# Altium PCB PCB_wordclocksmall_2022-11-05.pcbdoc (part 4 of 5) (continued)
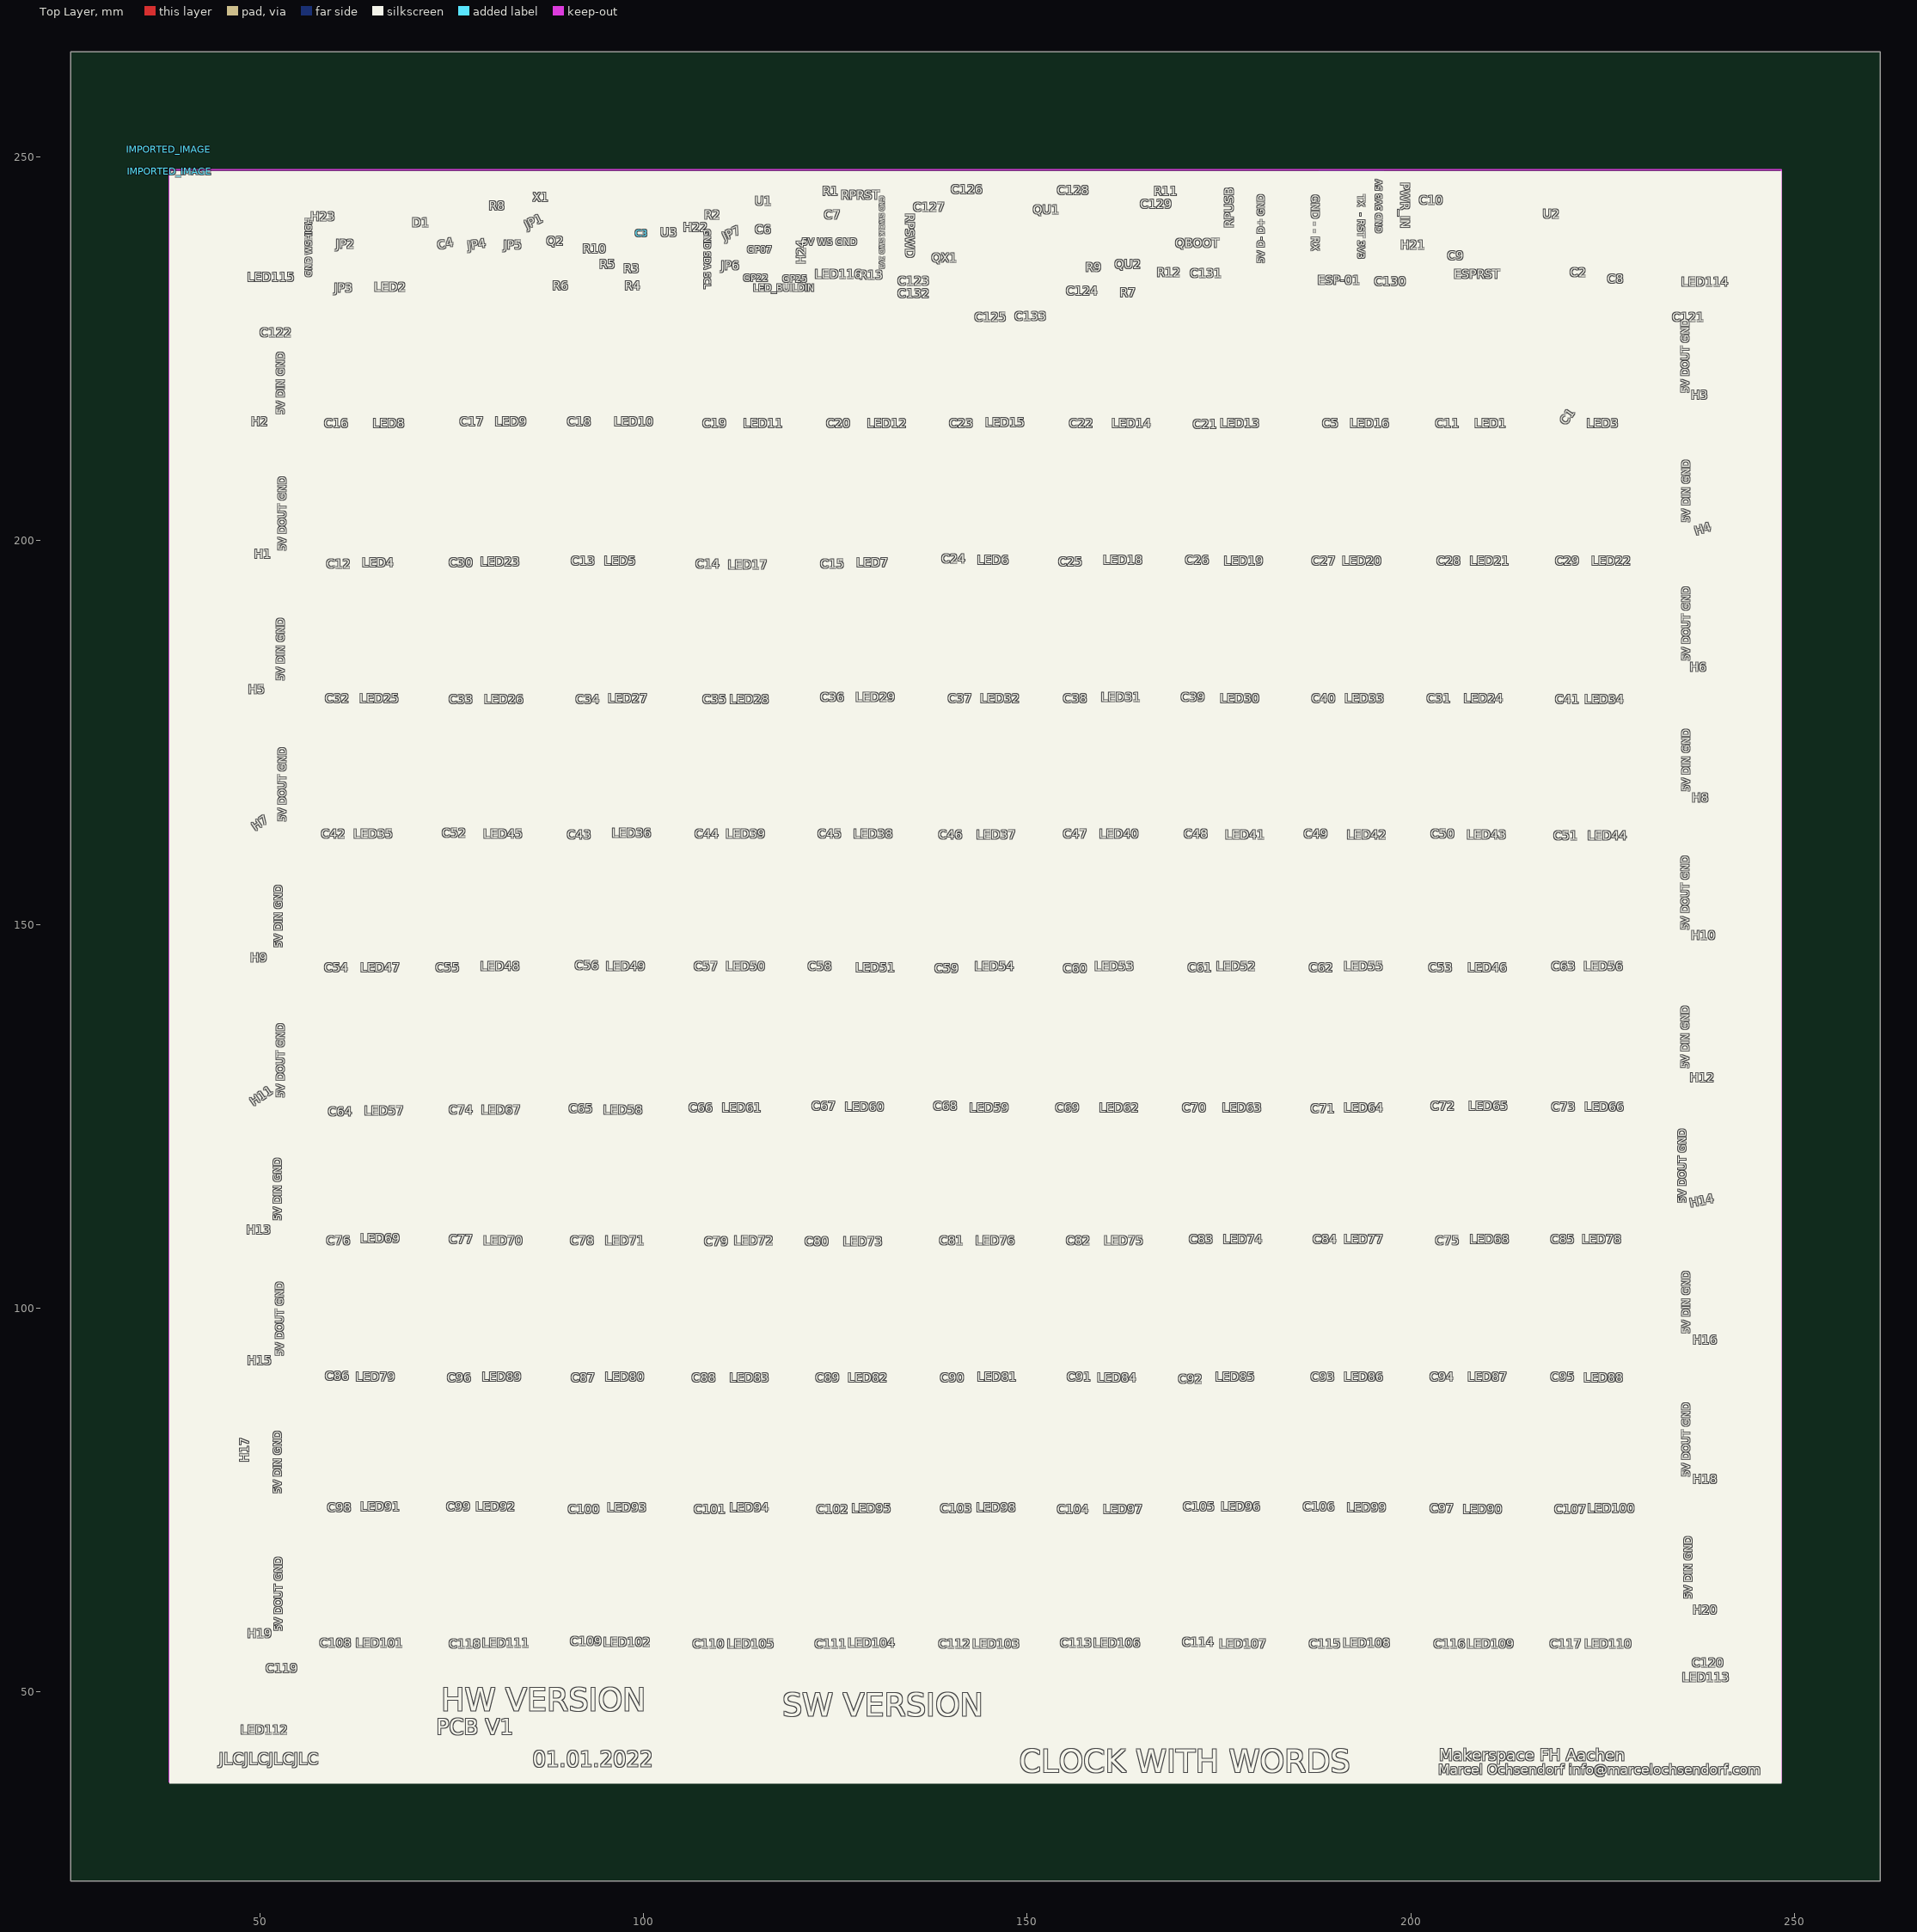
[diagram p0: Top Layer view]
## Nets (pads, with @x,y where several pads share a name; then routed paths per layer and width w, separated by ;. In a path a pad name is that pad's centre, name@x,y a point inside that pad or via, vN(x,y) a via of type N, cw(c..) or ccw(c..) an arc to the next point about the centre after c; other vN are vias at no path point) (continued)
  other v1: 137.795,232.679 147.828,240.045 115.443,242.712 144.78,246.141 152.781,246.395
GPIO0: 1.GP0 M1.7 QU1.2 | length 84.5
  Top Layer w0.229: QU1.2@150.028,243.595 150.028,245.338 149.733,245.633 149.733,247.411 149.987,247.665 v1(154.686,247.665) ; v1(157.226,247.03) 186.817,247.03 188.087,245.76 188.087,237.505 188.976,236.616 M1.7@189.865,236.616
  Top Layer w0.254: 1.GP0@164.592,229.123 164.592,231.917 165.227,232.552 187.325,232.552 v1(187.96,233.187)
  Bottom Layer w0.229: v1(154.686,247.665) 155.321,247.03 v1(157.226,247.03)
  Bottom Layer w0.254: v1(187.96,233.187) 187.96,234.711 M1.7@189.865,236.616
GPIO1: 1.GP1 M1.2 QU1.3 | length 89.2
  Top Layer w0.229: v1(148.844,245.887) 149.628,245.103 QU1.3@149.628,243.595 ; v1(152.146,243.728) 156.083,247.665 190.881,247.665 192.405,246.141 M1.2@192.405,244.236
  Top Layer w0.254: 1.GP1@167.132,229.123 167.132,231.282 167.894,232.044 188.722,232.044 v1(189.738,233.06) ; v1(190.881,235.346) 191.135,235.346 191.135,242.204 192.405,243.474 M1.2@192.405,244.236
  Bottom Layer w0.229: v1(148.844,245.887) 149.987,244.744 151.13,244.744 v1(152.146,243.728)
  Bottom Layer w0.254: v1(189.738,233.06) 189.738,234.203 v1(190.881,235.346)
GPIO2: 1.GP2 H22.2 QU1.4 R3.2 U1.4 U3.5 | length 160.4
  Top Layer w0.229: v1(106.68,229.885) 106.782,229.783 160.503,229.783 163.195,227.091 171.196,227.091 v1(171.704,226.583) ; H22.2@106.68,236.87 106.68,236.997 110.49,240.807 124.714,240.807 125.73,241.823 125.857,241.823 125.857,245.633 127.762,247.538 143.256,247.538 143.637,247.919 147.701,247.919 148.209,247.411 148.209,245.506 149.228,244.488 QU1.4@149.228,243.595
  Top Layer w0.254: R3.2@102.312,236.362 102.82,236.87 H22.2@106.68,236.87 105.537,236.87 104.155,238.252 U3.5@104.155,242.458 108.077,242.458 109.601,243.982 v1(109.601,244.49) ; v1(110.109,246.903) 110.617,247.411 114.261,247.411 U1.4@114.65,247.022
  Bottom Layer w0.229: v1(171.704,226.583) 172.212,227.091 1.GP2@172.212,229.123
  Bottom Layer w0.254: v1(106.68,229.885) 104.648,231.917 104.648,236.489 105.029,236.87 H22.2@106.68,236.87 ; v1(109.601,244.49) 109.601,246.395 v1(110.109,246.903) ; v1(171.704,226.583) 172.212,227.091 1.GP2@172.212,229.123
GPIO3: 1.GP3 H22.3 QU1.5 R4.2 U1.6 U3.6 | length 156
  Top Layer w0.254: H22.3@106.68,234.33 107.823,234.33 109.22,235.727 109.22,238.775 110.744,240.299 124.968,240.299 126.365,241.696 126.365,245.506 127.889,247.03 143.51,247.03 143.891,247.411 147.574,247.411 147.701,247.284 147.701,245.379 148.829,244.251 QU1.5@148.828,243.595 ; v1(106.807,231.028) 107.569,230.266 160.909,230.266 163.449,227.726 173.355,227.726 1.GP3@174.752,229.123
  Top Layer w0.3: R4.2@102.312,234.076 101.6,234.076 101.346,234.33 101.346,237.505 102.616,238.775 102.616,243.093 103.251,243.728 U3.6@104.155,243.728 106.045,243.728 108.339,246.022 U1.6@114.65,246.022
  Top Layer w0.5: R4.2@102.312,234.076 102.566,234.33 H22.3@106.68,234.33
  Bottom Layer w0.254: H22.3@106.68,234.33 106.807,234.203 v1(106.807,231.028)
GPIO4: QU1.6
GPIO5: QU1.7
GPIO6: QU1.8
GPIO7: QU1.9
GPIO8: QU1.11
GPIO9: QU1.12
GPIO10: QU1.13
GPIO11: QU1.14
GPIO12: QU1.15
GPIO13: QU1.16
GPIO14: QU1.17
GPIO15: QU1.18
GPIO16: 1.GP16 JP7.1 QU1.27 | length 168.8
  Top Layer w0.229: JP7.1@112.039,238.267 112.039,236.083 112.903,235.219 v1(135.382,235.219) ; v1(143.129,235.473) 143.129,237.378 143.596,237.846 QU1.27@144.278,237.845
  Top Layer w0.254: v1(110.109,233.314) v1(110.109,237.886) ; v1(110.871,229.123) 110.871,228.869 151.257,228.869 v1(154.559,225.567) ; JP7.1@112.039,238.267 113.157,238.267 v1(113.538,237.886) ; v1(154.559,215.915) v1(154.559,220.233) ; v1(155.067,213.375) 210.82,213.375 1.GP16@212.852,211.343
  Bottom Layer w0.229: v1(135.382,235.219) 136.779,233.822 141.732,233.822 143.129,235.219 v1(143.129,235.473)
  Bottom Layer w0.254: v1(110.109,233.314) 110.109,229.885 v1(110.871,229.123) ; v1(110.109,237.886) v1(113.538,237.886) ; v1(154.559,215.915) 155.067,215.407 v1(155.067,213.375) ; v1(154.559,220.233) v1(154.559,225.567)
GPIO17: QU1.28
GPIO18: QU1.29
GPIO19: QU1.30
GPIO20: QU1.31
GPIO21: QU1.32
GPIO22: 1.GP22 JP6.1 QU1.34 | length 144.9
  Top Layer w0.229: JP6.1@111.912,234.584 135.001,234.584 v1(136.271,233.314) ; QU1.34@147.228,236.495 147.228,235.438 v1(147.574,235.092)
  Top Layer w0.254: v1(109.093,231.028) 111.379,231.028 111.887,231.536 111.887,234.559 JP6.1@111.912,234.584 ; v1(109.601,229.123) 109.601,228.615 109.855,228.361 150.495,228.361 v1(153.289,225.567) ; v1(153.289,215.915) v1(153.289,220.233) ; v1@153.416,213.248 154.178,212.486 192.278,212.486 192.659,212.105 192.659,211.343
  Bottom Layer w0.229: v1(136.271,233.314) 141.986,233.314 143.764,235.092 v1(147.574,235.092)
  Bottom Layer w0.254: v1(109.093,231.028) 109.093,229.631 v1(109.601,229.123) ; v1(153.289,213.248) v1(153.289,215.915) ; v1(153.289,220.233) v1(153.289,225.567)
GPIO23: QU1.35
GPIO24: QU1.36
GPIO25: QU1.37 R13.1 | length 28.8
  Top Layer w0.229: R13.1@130.76,233.441 134.493,233.441 137.16,230.774 140.843,230.774 142.24,232.171 149.606,232.171 150.114,232.679 150.114,234.584 v1(151.257,235.727) ; QU1.37@148.428,236.495 148.428,235.762 v1(148.844,235.346)
  Bottom Layer w0.229: v1(148.844,235.346) 148.971,235.219 150.749,235.219 v1(151.257,235.727)
H1_2: H1.2 H5.2 LED4.2 LED25.4 | length 62.8
  Top Layer w1: H1.2@50.038,203.596 46.99,203.596 45.339,205.247 ; LED25.4@60.238,185.713 49.633,185.713 H5.2@49.53,185.816 47.244,185.816 45.339,187.721 45.339,205.247 ; LED4.2@65.238,206.62 62.674,209.184 46.609,209.184 45.339,207.914 45.339,205.247
H2_2: H2.2 LED8.4 LED115.2 | length 29.4
  Top Layer w1: LED115.2@48.046,236.894 46.609,235.457 46.609,222.138 48.006,220.741 H2.2@49.911,220.741 50.062,220.892 LED8.4@59.984,220.892
H7_2: H7.2 H9.2 LED35.2 LED47.4 | length 60.9
  Top Layer w1: H7.2@50.038,168.036 47.117,168.036 45.847,166.766 ; LED47.4@60.747,150.914 H9.2@49.784,150.891 47.498,150.891 45.847,152.542 45.847,166.766 ; LED35.2@65.365,170.933 62.674,173.624 47.752,173.624 45.847,171.719 45.847,166.766
H11_2: H11.2 H13.2 LED57.2 LED69.4 | length 63.7
  Top Layer w1: H11.2@49.911,132.222 46.99,132.222 45.085,130.317 ; LED69.4@60.746,115.355 49.633,115.355 H13.2@49.403,115.585 49.276,115.458 46.863,115.458 45.085,117.236 45.085,130.317 ; LED57.2@65.619,135.246 62.801,138.064 46.736,138.064 45.085,136.413 45.085,130.317
H15_2: H15.2 H17.2 LED79.2 LED91.4 | length 61.4
  Top Layer w1: 45.847,96.662 45.847,101.742 47.625,103.52 64.008,103.52 65.746,101.782 LED79.2@65.746,101.464 ; H15.2@49.657,98.44 47.752,98.44 45.974,96.662 45.974,81.93 47.498,80.406 49.276,80.406 H17.2@49.53,80.152 LED91.4@60.747,80.175
H19_2: H19.2 LED101.2 LED112.4 | length 47
  Top Layer w1: LED112.4@47.538,47.791 46.204,47.791 43.18,50.815 43.18,55.26 46.609,58.689 46.609,64.658 ; H19.2@49.53,63.007 48.26,63.007 46.609,64.658 ; LED101.2@65.619,66.031 63.69,67.96 47.625,67.96 46.609,66.944 46.609,64.658
JP3_1: H23.1 JP3.1 LED115.4 | length 32.3
  Top Layer w0.508: LED115.4@53.046,239.894 57.253,239.894 H23.1@58.039,240.68 58.293,240.68 59.182,241.569 59.182,242.839 59.944,243.601 62.484,243.601 63.246,242.839 63.246,237.632 64.008,236.87 65.532,236.87 66.675,235.727 66.675,234.457 65.024,232.806 61.595,232.806 60.706,233.695 JP3.1@60.681,235.473
JP3_2: H23.2 JP2.1 JP3.2 LED2.2 | length 12.2
  Top Layer w0.5: JP3.2@61.493,235.473 64.913,235.473 LED2.2@64.937,235.497
  Top Layer w0.508: H23.2@58.039,238.14 61.493,238.14 ; JP2.1@61.468,240.782 61.493,240.756 JP3.2@61.493,235.473
JP5_1: JP5.1 Q2.3 R8.1 | length 9.3
  Top Layer w0.5: R8.1@82.804,242.331 83.464,241.671 JP5.1@83.464,237.251 Q2.3@87.392,237.251
JP5_2: JP1.2 JP2.2 JP5.2 LED2.4 | length 34.1
  Top Layer w0.5: v1(66.167,240.299) 68.135,240.299 69.937,238.497 70.342,238.902 v1(76.708,238.902) ; v1(81.153,238.902) 81.153,238.75 JP5.2@82.652,237.251 ; v1(85.09,238.902) 85.09,239.612 85.09,241.188 85.979,242.077 JP1.2@87.859,242.077
  Top Layer w0.508: JP2.2@61.468,241.595 61.595,241.722 v1(61.595,242.585)
  Bottom Layer w0.5: v1(61.595,242.585) 63.881,242.585 v1(66.167,240.299) ; v1(76.708,238.902) v1(81.153,238.902) v1(85.09,238.902)
LED1_2: LED1.2 LED3.4 | length 12.4
  Top Layer w1: LED1.2@210.018,224.527 216.052,224.526 219.052,221.526 LED3.4@221.148,221.526
LED1_4: LED1.4 LED16.2 | length 11.2
  Top Layer w1: LED16.2@195.032,224.527 197.002,224.526 200.048,221.526 LED1.4@205.019,221.526
LED3_2: H3.2 LED3.2 LED114.4 | length 24.5
  Top Layer w1: LED3.2@226.147,224.527 237.26,224.527 H3.2@237.49,224.297 238.736,224.297 239.244,224.805 LED114.4@239.244,235.894
LED4_4: LED4.4 LED23.2 | length 23.5
  Top Layer w1: LED4.4@60.238,203.62 61.738,205.12 69.215,205.12 72.39,208.295 79.438,208.295 LED23.2@81.113,206.62
LED5_2: LED5.2 LED23.4 | length 24.5
  Top Layer w1: LED23.4@76.113,203.62 77.613,205.12 87.249,205.12 90.424,208.295 96.393,208.295 97.369,207.319 LED5.2@97.369,206.366
LED5_4: LED5.4 LED17.2 | length 24.5
  Top Layer w1: LED5.4@92.369,203.366 93.742,204.739 102.489,204.739 105.791,208.041 113.03,208.041 113.879,207.192 LED17.2@113.879,206.493
LED6_2: LED6.2 LED7.4 | length 24.9
  Top Layer w1: LED7.4@124.754,203.366 126.254,204.866 134.747,204.866 138.684,208.803 144.78,208.803 145.883,207.7 LED6.2@145.883,206.62
LED6_4: LED6.4 LED18.2 | length 24
  Top Layer w1: LED6.4@140.883,203.62 142.256,204.993 149.733,204.993 153.035,208.295 160.909,208.295 161.885,207.319 LED18.2@161.885,206.62
LED7_2: LED7.2 LED17.4 | length 23.8
  Top Layer w1: LED17.4@108.879,203.493 110.125,204.739 118.491,204.739 121.666,207.914 129.032,207.914 129.754,207.192 LED7.2@129.754,206.366
LED8_2: LED8.2 LED9.4 | length 12.3
  Top Layer w1: LED8.2@64.984,223.892 67.715,223.892 70.461,221.146 LED9.4@76.113,221.146
LED9_2: LED9.2 LED10.4 | length 12.1
  Top Layer w1: LED9.2@81.113,224.146 83.844,224.146 86.717,221.273 LED10.4@91.988,221.273
LED10_2: LED10.2 LED11.4 | length 13.1
  Top Layer w1: LED10.2@96.988,224.273 100.482,224.272 103.401,221.399 LED11.4@108.88,221.399
LED11_2: LED11.2 LED12.4 | length 12.5
  Top Layer w1: LED11.2@113.879,224.4 116.611,224.399 119.784,221.272 LED12.4@125.136,221.272
LED12_2: LED12.2 LED15.4 | length 11.7
  Top Layer w1: LED12.2@130.135,224.273 132.485,224.273 135.485,221.273 LED15.4@140.629,221.273
LED13_2: LED13.2 LED16.4 | length 13.6
  Top Layer w1: LED13.2@177.76,224.654 180.872,224.654 183.999,221.527 LED16.4@190.032,221.527
LED13_4: LED13.4 LED14.2 | length 12
  Top Layer w1: LED14.2@161.884,224.401 164.871,224.401 167.665,221.653 LED13.4@172.761,221.653
LED14_4: LED14.4 LED15.2 | length 12.4
  Top Layer w1: LED15.2@145.629,224.273 148.995,224.273 151.868,221.4 LED14.4@156.885,221.4
LED18_4: LED18.4 LED19.2 | length 24
  Top Layer w1: LED18.4@156.886,203.619 158.257,204.993 166.243,204.993 169.164,207.914 177.546,207.914 178.14,207.32 LED19.2@178.14,206.621
LED19_4: LED19.4 LED20.2 | length 23.4
  Top Layer w1: LED19.4@173.141,203.62 174.641,205.12 182.499,205.12 185.547,208.168 191.516,208.168 193.064,206.62 LED20.2@194.016,206.62
LED20_4: LED20.4 LED21.2 | length 23.7
  Top Layer w1: LED20.4@189.017,203.619 190.515,205.12 196.723,205.12 199.644,208.041 209.169,208.041 209.89,207.32 LED21.2@209.89,206.621
LED21_4: LED21.4 LED22.2 | length 24.5
  Top Layer w1: LED21.4@204.891,203.62 206.391,205.12 212.979,205.12 216.408,208.549 224.536,208.549 226.274,206.811 LED22.2@226.274,206.493
LED22_4: H4.2 LED22.4 LED114.2 | length 63.5
  Top Layer w1: LED22.4@221.274,203.493 222.774,204.993 228.219,204.993 229.743,206.517 H4.2@237.744,206.517 239.903,206.517 241.173,207.787 241.173,241.95 239.649,243.474 237.109,243.474 236.245,242.562 LED114.2@236.244,240.894
LED24_2: LED24.2 LED34.4 | length 12.2
  Top Layer w1: LED24.2@210.018,188.586 213.003,188.586 215.876,185.713 LED34.4@221.02,185.713
LED24_4: LED24.4 LED33.2 | length 11.8
  Top Layer w1: LED33.2@194.396,188.46 196.748,188.46 199.669,185.585 LED24.4@205.019,185.585
LED25_2: LED25.2 LED26.4 | length 12.3
  Top Layer w1: LED25.2@65.237,188.714 67.335,188.714 70.51,185.585 LED26.4@76.241,185.585
LED26_2: LED26.2 LED27.4 | length 12.6
  Top Layer w1: LED26.2@81.24,188.586 83.971,188.586 86.717,185.84 LED27.4@92.75,185.84
LED27_2: LED27.2 LED28.4 | length 11.5
  Top Layer w1: LED27.2@97.749,188.841 99.974,188.841 103.022,185.839 LED28.4@107.991,185.839
LED28_2: LED28.2 LED29.4 | length 13
  Top Layer w1: LED28.2@112.989,188.841 115.722,188.841 118.77,185.839 LED29.4@124.755,185.839
LED29_2: LED29.2 LED32.4 | length 12.3
  Top Layer w1: LED29.2@129.753,188.841 132.486,188.841 135.661,185.712 LED32.4@140.757,185.712
LED30_2: LED30.2 LED33.4 | length 13.5
  Top Layer w1: LED30.2@177.251,188.714 180.619,188.714 183.921,185.458 LED33.4@189.398,185.458
LED30_4: LED30.4 LED31.2 | length 11.9
  Top Layer w1: LED31.2@161.631,188.713 163.854,188.713 166.854,185.713 LED30.4@172.252,185.713
LED31_4: LED31.4 LED32.2 | length 12.1
  Top Layer w1: LED32.2@145.755,188.714 148.107,188.714 151.155,185.712 LED31.4@156.632,185.712
LED34_2: H6.2 H8.2 LED34.2 LED44.4 | length 50.2
  Top Layer w1: LED44.4@221.147,168.568 222.52,169.941 229.489,169.941 231.267,171.719 H8.2@237.617,171.719 239.141,171.719 240.284,172.862 240.284,187.34 238.887,188.737 H6.2@237.49,188.737 LED34.2@226.019,188.714
LED35_4: LED35.4 LED45.2 | length 23.5
  Top Layer w1: LED35.4@60.365,167.933 61.992,169.56 68.707,169.56 71.628,172.481 79.565,172.481 LED45.2@81.24,170.806
LED36_2: LED36.2 LED45.4 | length 25
  Top Layer w1: LED45.4@76.24,167.806 77.867,169.433 85.852,169.433 89.281,172.862 96.774,172.862 97.623,172.013 LED36.2@97.623,170.806
LED36_4: LED36.4 LED39.2 | length 23.6
  Top Layer w1: LED36.4@92.623,167.806 93.996,169.179 100.584,169.179 104.521,173.116 110.934,173.116 LED39.2@113.117,170.933
LED37_2: LED37.2 LED38.4 | length 24.3
  Top Layer w1: LED38.4@124.754,168.06 126.127,169.433 133.604,169.433 137.16,172.989 144.526,172.989 145.756,171.759 LED37.2@145.756,171.06
LED37_4: LED37.4 LED40.2 | length 23.7
  Top Layer w1: LED37.4@140.756,168.06 142.256,169.56 149.987,169.56 153.543,173.116 159.448,173.116 LED40.2@161.504,171.06
LED38_2: LED38.2 LED39.4 | length 24.6
  Top Layer w1: LED39.4@108.117,167.933 109.617,169.433 116.713,169.433 120.142,172.862 128.27,172.862 129.754,171.378 LED38.2@129.754,171.06
LED40_4: LED40.4 LED41.2 | length 24.1
  Top Layer w1: LED40.4@156.504,168.06 157.877,169.433 166.243,169.433 170.053,173.243 175.577,173.243 LED41.2@177.633,171.187
LED41_4: LED41.4 LED42.2 | length 25.2
  Top Layer w1: LED41.4@172.633,168.187 174.133,169.687 182.88,169.687 186.563,173.37 193.421,173.37 194.27,172.521 LED42.2@194.27,171.441
LED42_4: LED42.4 LED43.2 | length 24.6
  Top Layer w1: LED42.4@189.27,168.441 190.77,169.941 197.739,169.941 201.549,173.751 208.915,173.751 209.891,172.775 LED43.2@209.891,171.441
LED43_4: LED43.4 LED44.2 | length 24.3
  Top Layer w1: LED43.4@204.891,168.441 206.264,169.814 214.503,169.814 218.313,173.624 224.091,173.624 LED44.2@226.147,171.568
LED46_2: LED46.2 LED56.4 | length 12.5
  Top Layer w1: LED46.2@209.89,153.916 213.385,153.916 216.433,150.914 LED56.4@221.148,150.914
LED46_4: LED46.4 LED55.2 | length 11.9
  Top Layer w1: LED55.2@194.27,154.042 197.128,154.042 200.255,150.915 LED46.4@204.891,150.915
LED47_2: LED47.2 LED48.4 | length 11.7
  Top Layer w1: LED47.2@65.745,153.916 68.859,153.916 71.907,150.914 LED48.4@76.241,150.914
LED48_2: LED48.2 LED49.4 | length 12.4
  Top Layer w1: LED48.2@81.239,153.916 84.353,153.916 87.401,150.914 LED49.4@92.37,150.914
LED49_2: LED49.2 LED50.4 | length 12.1
  Top Layer w1: LED49.2@97.368,153.916 99.974,153.916 103.022,150.914 LED50.4@108.245,150.914
LED50_2: LED50.2 LED51.4 | length 12.7
  Top Layer w1: LED50.2@113.243,153.916 116.992,153.916 119.913,151.041 LED51.4@124.755,151.041
LED51_2: LED51.2 LED54.4 | length 12.2
  Top Layer w1: LED51.2@129.753,154.043 132.994,154.043 136.042,151.041 LED54.4@140.757,151.041
LED52_2: LED52.2 LED55.4 | length 12.7
  Top Layer w1: LED52.2@177.886,154.17 181.381,154.17 184.556,151.041 LED55.4@189.271,151.041
LED52_4: LED52.4 LED53.2 | length 12.6
  Top Layer w1: LED53.2@161.376,153.916 164.871,153.916 167.665,151.168 LED52.4@172.888,151.168
LED53_4: LED53.4 LED54.2 | length 11.9
  Top Layer w1: LED54.2@145.755,154.043 148.742,154.043 151.917,150.914 LED53.4@156.378,150.914
LED56_2: H10.2 H12.2 LED56.2 LED66.4 | length 51.6
  Top Layer w1: LED66.4@221.147,132.373 222.647,133.873 230.632,133.873 232.156,135.397 H12.2@237.617,135.397 239.141,135.397 240.284,136.54 240.284,152.542 239.014,153.812 H10.2@237.617,153.812 226.25,153.812 LED56.2@226.147,153.915
LED57_4: LED57.4 LED67.2 | length 23.6
  Top Layer w1: LED57.4@60.619,132.246 62.119,133.746 69.85,133.746 73.406,137.302 79.121,137.302 81.113,135.31 LED67.2@81.113,135.119
LED58_2: LED58.2 LED67.4 | length 24.2
  Top Layer w1: LED67.4@76.114,132.118 77.749,132.118 79.248,133.619 87.376,133.619 90.932,137.175 95.313,137.175 LED58.2@97.368,135.12
LED58_4: LED58.4 LED61.2 | length 23.9
  Top Layer w1: LED58.4@92.369,132.119 93.869,133.619 102.489,133.619 105.791,136.921 111.76,136.921 113.117,135.564 LED61.2@113.117,134.992
LED59_2: LED59.2 LED60.4 | length 24.4
  Top Layer w1: LED60.4@124.754,132.246 126.254,133.746 133.604,133.746 137.033,137.175 144.907,137.175 145.883,136.199 LED59.2@145.883,135.373
LED59_4: LED59.4 LED62.2 | length 23.6
  Top Layer w1: LED59.4@140.884,132.372 142.382,133.873 150.368,133.873 153.67,137.175 160.274,137.175 161.376,136.073 LED62.2@161.376,135.374
LED60_2: LED60.2 LED61.4 | length 25
  Top Layer w1: LED61.4@108.117,131.992 109.49,133.365 117.475,133.365 121.285,137.175 128.524,137.175 129.754,135.945 LED60.2@129.754,135.246
LED62_4: LED62.4 LED63.2 | length 24
  Top Layer w1: LED62.4@156.377,132.373 157.75,133.746 166.878,133.746 170.18,137.048 176.212,137.048 LED63.2@177.76,135.5
LED63_4: LED63.4 LED64.2 | length 24.5
  Top Layer w1: LED63.4@172.76,132.5 174.387,134.127 182.626,134.127 185.547,137.048 193.294,137.048 194.397,135.945 LED64.2@194.397,135.373
LED64_4: LED64.4 LED65.2 | length 23.8
  Top Layer w1: LED64.4@189.397,132.373 190.897,133.873 198.12,133.873 201.676,137.429 208.407,137.429 209.891,135.945 LED65.2@209.891,135.373
LED65_4: LED65.4 LED66.2 | length 24.5
  Top Layer w1: LED65.4@204.891,132.373 206.391,133.873 211.328,133.873 214.757,137.302 224.917,137.302 226.147,136.072 LED66.2@226.147,135.373
LED68_2: LED68.2 LED78.4 | length 12.8
  Top Layer w1: LED68.2@209.764,118.863 212.749,118.863 215.749,115.863 LED78.4@221.274,115.863
LED68_4: LED68.4 LED77.2 | length 11.7
  Top Layer w1: LED77.2@194.269,118.864 196.113,118.864 199.161,115.862 LED68.4@204.765,115.862
LED69_2: LED69.2 LED70.4 | length 11.3
  Top Layer w1: LED69.2@65.745,118.356 67.843,118.356 70.891,115.354 LED70.4@75.86,115.354
LED70_2: LED70.2 LED71.4 | length 12.5
  Top Layer w1: LED70.2@80.858,118.356 84.226,118.356 87.02,115.608 LED71.4@92.243,115.608
LED71_2: LED71.2 LED72.4 | length 12.2
  Top Layer w1: LED71.2@97.241,118.61 99.974,118.61 102.895,115.735 LED72.4@108.245,115.735
LED72_2: LED72.2 LED73.4 | length 12.5
  Top Layer w1: LED72.2@113.244,118.736 116.61,118.736 119.61,115.736 LED73.4@124.5,115.736
LED73_2: LED73.2 LED76.4 | length 12.7
  Top Layer w1: LED73.2@129.5,118.736 132.739,118.736 135.866,115.609 LED76.4@140.883,115.609
LED74_2: LED74.2 LED77.4 | length 12.8
  Top Layer w1: LED74.2@177.632,118.737 181.381,118.737 184.302,115.862 LED77.4@189.271,115.862
LED74_4: LED74.4 LED75.2 | length 12.4
  Top Layer w1: LED75.2@161.376,118.61 164.236,118.61 167.157,115.735 LED74.4@172.634,115.735
LED75_4: LED75.4 LED76.2 | length 11.7
  Top Layer w1: LED76.2@145.882,118.61 148.615,118.61 151.663,115.608 LED75.4@156.378,115.608
LED78_2: H14.2 H16.2 LED78.2 LED88.4 | length 51.2
  Top Layer w1: LED88.4@221.401,97.829 223.028,99.456 230.378,99.456 231.902,100.98 H16.2@237.744,100.98 239.522,100.98 240.538,101.996 240.538,117.49 239.141,118.887 H14.2@237.617,118.887 LED78.2@226.273,118.864
LED79_4: LED79.4 LED89.2 | length 23.1
  Top Layer w1: LED79.4@60.746,98.464 62.246,99.964 69.596,99.964 73.406,103.774 78.422,103.774 LED89.2@80.732,101.464
LED80_2: LED80.2 LED89.4 | length 24.3
  Top Layer w1: LED89.4@75.732,98.464 77.105,99.837 85.598,99.837 89.027,103.266 94.869,103.266 96.798,101.337 LED80.2@97.242,101.337
LED80_4: LED80.4 LED83.2 | length 24.6
  Top Layer w1: LED80.4@92.242,98.337 93.742,99.837 101.981,99.837 105.664,103.52 112.014,103.52 113.244,102.29 LED83.2@113.244,101.337
LED81_2: LED81.2 LED82.4 | length 24.4
  Top Layer w1: LED82.4@124.5,98.337 125.873,99.71 132.842,99.71 136.398,103.266 144.081,103.266 LED81.2@146.01,101.337
LED81_4: LED81.4 LED84.2 | length 23.6
  Top Layer w1: LED81.4@141.01,98.337 142.383,99.71 149.733,99.71 153.543,103.52 159.766,103.52 161.377,101.909 LED84.2@161.377,101.464
LED82_2: LED82.2 LED83.4 | length 25
  Top Layer w1: LED83.4@108.244,98.337 109.617,99.71 117.856,99.71 121.92,103.774 127.889,103.774 129.5,102.163 LED82.2@129.5,101.337
LED84_4: LED84.4 LED85.2 | length 24.3
  Top Layer w1: LED84.4@156.377,98.464 157.877,99.964 166.624,99.964 170.18,103.52 175.323,103.52 LED85.2@177.633,101.21
LED85_4: LED85.4 LED86.2 | length 24.6
  Top Layer w1: LED85.4@172.633,98.21 174.26,99.837 181.229,99.837 184.277,102.885 192.913,102.885 194.27,101.528 LED86.2@194.27,101.083
LED86_4: LED86.4 LED87.2 | length 23.9
  Top Layer w1: LED86.4@189.27,98.083 190.77,99.583 198.882,99.583 202.565,103.266 208.28,103.266 209.637,101.909 LED87.2@209.637,101.083
LED87_4: LED87.4 LED88.2 | length 24.6
  Top Layer w1: LED87.4@204.637,98.083 206.264,99.71 214.376,99.71 217.551,102.885 224.345,102.885 LED88.2@226.401,100.829
LED90_2: LED90.2 LED100.4 | length 13
  Top Layer w1: LED90.2@209.763,83.177 213.004,83.177 216.306,79.921 LED100.4@221.402,79.921
LED90_4: LED90.4 LED99.2 | length 11.8
  Top Layer w1: LED99.2@194.269,83.304 196.748,83.304 199.923,80.175 LED90.4@204.765,80.175
LED91_2: LED91.2 LED92.4 | length 11
  Top Layer w1: LED91.2@65.745,83.177 67.97,83.177 71.018,80.175 LED92.4@75.479,80.175
LED92_2: LED92.2 LED93.4 | length 12.8
  Top Layer w1: LED92.2@80.477,83.177 83.591,83.177 86.512,80.302 LED93.4@92.116,80.302
LED93_2: LED93.2 LED94.4 | length 12.4
  Top Layer w1: LED93.2@97.115,83.303 99.846,83.303 102.87,80.279 103.021,80.43 LED94.4@108.244,80.43
LED94_2: LED94.2 LED95.4 | length 12.5
  Top Layer w1: LED94.2@113.243,83.431 116.103,83.431 119.278,80.302 LED95.4@124.501,80.302
LED95_2: LED95.2 LED98.4 | length 12.8
  Top Layer w1: LED95.2@129.5,83.303 132.231,83.303 135.255,80.279 135.406,80.43 LED98.4@141.01,80.43
LED96_2: LED96.2 LED99.4 | length 12.8
  Top Layer w1: LED96.2@177.759,83.558 180.746,83.558 184.048,80.302 LED99.4@189.271,80.302
LED96_4: LED96.4 LED97.2 | length 12.6
  Top Layer w1: LED97.2@161.249,83.304 164.871,83.304 167.665,80.556 LED96.4@172.761,80.556
LED97_4: LED97.4 LED98.2 | length 11.5
  Top Layer w1: LED98.2@146.01,83.43 148.741,83.43 151.868,80.303 LED97.4@156.25,80.303
LED100_2: H18.2 LED100.2 LED113.4 | length 56.2
  Top Layer w1: LED100.2@226.4,82.923 H18.2@237.744,82.946 237.998,82.692 239.522,82.692 242.951,79.263 242.951,50.307 241.554,48.91 237.49,48.91 235.99,47.41 LED113.4@234.99,47.41
LED101_4: LED101.4 LED111.2 | length 23.1
  Top Layer w1: LED101.4@60.619,63.031 62.119,64.531 68.072,64.531 72.009,68.468 78.422,68.468 LED111.2@80.605,66.285
LED102_2: LED102.2 LED111.4 | length 24.3
  Top Layer w1: LED111.4@75.605,63.285 77.105,64.785 83.439,64.785 86.614,67.96 95.44,67.96 LED102.2@97.242,66.158
LED102_4: LED102.4 LED105.2 | length 24
  Top Layer w1: LED102.4@92.242,63.158 92.988,63.158 94.361,64.531 102.235,64.531 105.791,68.087 111.315,68.087 LED105.2@113.371,66.031
LED103_2: LED103.2 LED104.4 | length 24.3
  Top Layer w1: LED104.4@124.754,62.65 126.254,64.15 134.112,64.15 137.668,67.706 144.208,67.706 LED103.2@146.137,65.777
LED103_4: LED103.4 LED106.2 | length 23.1
  Top Layer w1: LED103.4@141.137,62.777 142.764,64.404 149.733,64.404 152.781,67.452 159.893,67.452 161.25,66.095 LED106.2@161.25,65.65
LED104_2: LED104.2 LED105.4 | length 24.4
  Top Layer w1: LED105.4@108.371,63.031 109.871,64.531 116.967,64.531 120.142,67.706 128.143,67.706 129.754,66.095 LED104.2@129.754,65.65
LED106_4: LED106.4 LED107.2 | length 24.5
  Top Layer w1: LED106.4@156.25,62.65 157.877,64.277 167.132,64.277 170.561,67.706 175.895,67.706 177.633,65.968 LED107.2@177.633,65.65
LED107_4: LED107.4 LED108.2 | length 24.9
  Top Layer w1: LED107.4@172.633,62.65 174.133,64.15 183.769,64.15 187.452,67.833 192.659,67.833 194.27,66.222 LED108.2@194.27,65.777
LED108_4: LED108.4 LED109.2 | length 23.3
  Top Layer w1: LED108.4@189.27,62.777 190.77,64.277 199.136,64.277 202.311,67.452 208.28,67.452 209.637,66.095 LED109.2@209.637,65.65
LED109_4: LED109.4 LED110.2 | length 24.7
  Top Layer w1: LED109.4@204.637,62.65 206.137,64.15 213.487,64.15 217.17,67.833 224.536,67.833 226.02,66.349 LED110.2@226.02,65.777
LED110_4: H20.2 LED110.4 LED113.2 | length 36.8
  Top Layer w1: LED110.4@221.02,62.777 222.647,64.404 228.473,64.404 229.997,65.928 H20.2@237.871,65.928 240.157,65.928 241.046,65.039 241.046,51.466 LED113.2@239.99,50.41
LED112_2: LED112.2
M1_3: M1.3
M1_4: M1.4
M1_5: M1.5
M1_6: ESPRST.2 M1.6 | length 13.4
  Top Layer w0.229: M1.6@192.405,239.156 192.913,239.156 194.818,237.251 203.835,237.251 ESPRST.2@204.665,236.421
Q2_1: Q2.1 R5.2 R6.1 | length 6.9
  Top Layer w0.5: R6.1@86.868,234.203 88.966,236.301 Q2.1@89.392,236.301 92.776,236.301 R5.2@92.837,236.362
Q2_2: JP1.1 Q2.2 R10.2 | length 8.6
  Top Layer w0.5: Q2.2@89.392,238.201 88.671,238.922 JP1.1@88.671,242.077 88.925,242.331 R10.2@92.964,242.331
QBOOT_1: QBOOT.1
QBOOT_2: QBOOT.2 R11.2 | length 6.2
  Top Layer w0.229: QBOOT.2@169.731,240.748 170.756,240.748 171.704,241.696 R11.2@171.704,245.506
QBOOT_3: QBOOT.3
QSPI_CLK: QU1.52 QU2.6 | length 14.8
  Top Layer w0.229: QU1.52@151.378,241.045 154.193,241.046 154.201,240.919 153.96,240.68 153.96,240.561 154.021,240.5 154.14,240.5 154.379,240.739 154.501,240.739 154.559,240.68 154.559,240.561 154.32,240.32 154.32,240.2 154.379,240.142 154.501,240.142 154.739,240.381 154.859,240.381 154.92,240.32 154.92,240.2 154.678,239.961 154.678,239.842 154.739,239.781 154.859,239.781 155.097,240.022 155.217,240.022 158.242,236.997 161.036,236.997 QU2.6@161.036,238.048
QSPI_SD0: QU1.53 QU2.5 | length 14.7
  Top Layer w0.229: QU1.53@151.378,241.445 155.445,241.445 155.509,241.381 155.628,241.381 155.867,241.623 155.986,241.623 156.047,241.562 156.047,241.442 155.809,241.203 155.809,241.082 155.867,241.023 155.986,241.023 156.228,241.262 156.347,241.262 156.406,241.203 156.406,241.082 156.167,240.843 156.167,240.723 156.228,240.662 156.347,240.662 156.586,240.904 156.705,240.904 156.766,240.843 156.766,240.723 156.525,240.485 156.525,240.365 156.586,240.304 156.705,240.304 156.944,240.543 157.066,240.543 157.124,240.485 157.124,240.365 156.886,240.124 156.886,240.005 156.944,239.946 157.066,239.946 157.305,240.185 157.424,240.185 157.485,240.124 157.485,240.005 157.244,239.766 157.244,239.646 157.305,239.585 157.424,239.585 157.663,239.827 157.782,239.827 157.843,239.766 157.843,239.646 157.604,239.408 157.604,239.286 158.841,238.049 QU2.5@159.766,238.048
QSPI_SD1: QU1.55 QU2.2 | length 15.5
  Top Layer w0.229: QU1.55@151.378,242.245 154.092,242.245 154.554,242.707 154.554,242.827 154.315,243.068 154.315,243.187 154.374,243.246 154.495,243.246 154.734,243.007 154.854,243.007 155.291,243.444 155.291,243.563 155.052,243.804 155.052,243.924 155.11,243.982 155.232,243.982 155.471,243.743 155.59,243.743 157.607,245.76 161.925,245.76 162.306,245.379 QU2.2@162.306,244.074
QSPI_SD2: QU1.54 QU2.3 | length 15.5
  Top Layer w0.229: QU1.54@151.378,241.845 155.471,241.846 155.638,242.014 155.638,242.133 155.4,242.372 155.4,242.491 155.458,242.552 155.578,242.552 155.819,242.313 155.938,242.313 155.997,242.372 155.997,242.491 155.758,242.733 155.758,242.852 155.819,242.91 155.938,242.91 156.177,242.672 156.296,242.672 156.357,242.733 156.357,242.852 156.116,243.091 156.116,243.21 156.177,243.271 156.296,243.271 156.535,243.03 156.654,243.03 156.715,243.091 156.715,243.21 156.477,243.451 156.477,243.571 156.535,243.629 156.654,243.629 156.896,243.39 157.015,243.39 159.004,245.379 160.655,245.379 161.036,244.998 QU2.3@161.036,244.074
QSPI_SD3: QU1.51 QU2.7 | length 14.9
  Top Layer w0.229: QU1.51@151.378,240.645 152.944,240.645 156.886,236.703 157.005,236.703 157.244,236.941 157.363,236.941 157.424,236.883 157.424,236.764 157.185,236.522 157.185,236.403 157.226,236.362 161.798,236.362 162.306,236.87 QU2.7@162.306,238.048